# KiCad board Infernum.kicad_pcb (continued)
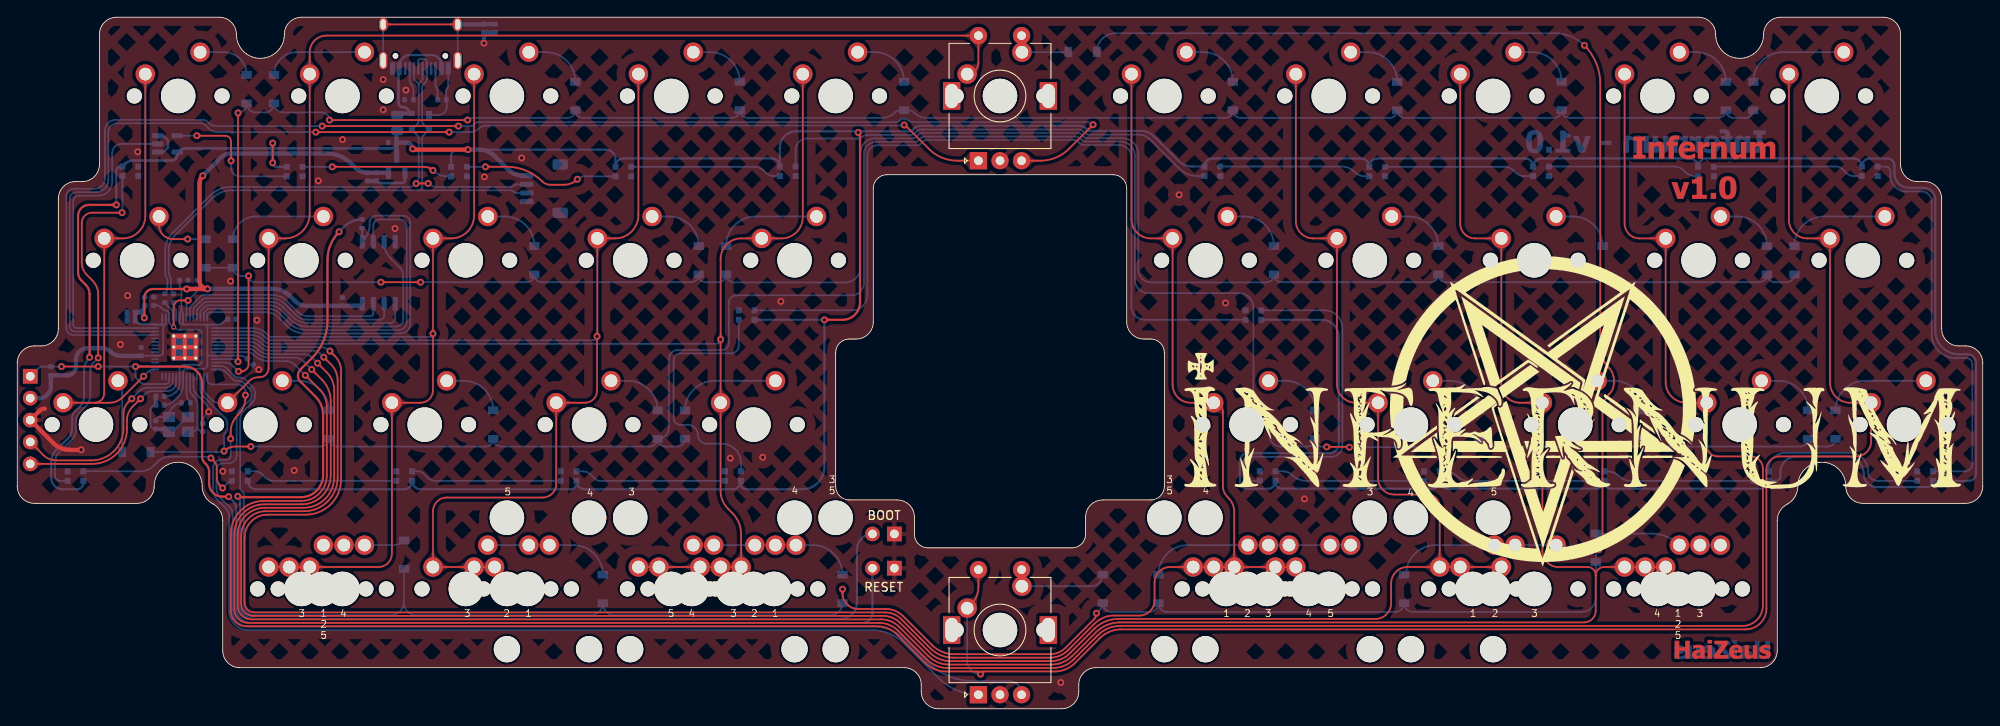
[diagram p0: board, top side]
## Routing (per net, layer and track width the routed paths; a pad name or vN(x,y) marks a point on that pad's centre or on a via; arc(x,y) is an arc through that point) (continued)
Net-(D14-A): length 7.4
  Bottom w0.2: MX14.2 56.5,57.07 arc(58.92,56.07) D14.2
Net-(D15-A): length 7.4
  Bottom w0.2: MX15.2 75.55,57.07 arc(77.97,56.07) D15.2
Net-(D16-A): length 12.4
  Bottom w0.2: MX16.2 85.58,57.07 arc(83.16,56.07) D16.2
Net-(D17-A): length 7.4
  Bottom w0.2: MX17.2 142.22,57.07 arc(144.65,56.07) D17.2
Net-(D18-A): length 7.4
  Bottom w0.2: MX18.2 161.27,57.07 arc(163.7,56.07) D18.2
Net-(D19-A): length 7.4
  Bottom w0.2: MX19.2 180.32,57.07 arc(182.75,56.07) D19.2
Net-(D20-A): length 7.4
  Bottom w0.2: MX20.2 199.37,57.07 arc(201.8,56.07) D20.2
Net-(D21-A): length 12.4
  Bottom w0.2: MX21.2 209.41,57.07 arc(206.98,56.07) D21.2
Net-(D22-A): length 8.5
  Bottom w0.2: D22.2 12.15,37.54 arc(12.01,37.88) MX22.2
Net-(D23-A): length 7.4
  Bottom w0.2: MX23.2 32.69,38.02 arc(35.11,37.02) D23.2
Net-(D24-A): length 7.4
  Bottom w0.2: MX24.2 51.74,38.02 arc(54.16,37.02) D24.2
Net-(D25-A): length 7.4
  Bottom w0.2: MX25.2 70.79,38.02 arc(73.21,37.02) D25.2
Net-(D26-A): length 12.4
  Bottom w0.2: MX26.2 80.82,38.02 arc(78.4,37.02) D26.2
Net-(D27-A): length 7.4
  Bottom w0.2: MX27.2 146.99,38.02 arc(149.41,37.02) D27.2
Net-(D28-A): length 7.4
  Bottom w0.2: MX28.2 166.04,38.02 arc(168.46,37.02) D28.2
Net-(D29-A): length 7.4
  Bottom w0.2: MX29.2 185.09,38.02 arc(187.51,37.02) D29.2
Net-(D30-A): length 7.4
  Bottom w0.2: MX30.2 204.14,38.02 arc(206.56,37.02) D30.2
Net-(D31-A): length 12.4
  Bottom w0.2: MX31.2 214.17,38.02 arc(211.75,37.02) D31.2
Net-(D32-A): length 9.5
  Bottom w0.2: MX43.2 MX32.2 MX49.2 43.55,18.97 arc(44.25,19.11) D32.2
Net-(D33-A): length 15.3
  Bottom w0.2: MX44.2 MX39.2 MX33.2 64.44,18.97 arc(66.86,17.97) D33.2
Net-(D34-A): length 19.3
  Bottom w0.2: MX53.2 MX50.2 MX45.2 MX40.2 MX34.2 92.22,18.97 arc(94.64,17.97) D34.2
Net-(D35-A): length 12
  Bottom w0.2: MX35.2 124.48,14.21 arc(125.42,14.6) D35.2 ; SW2.S1 116.4,14.25
Net-(D36-A): length 24.2
  Bottom w0.2: MX54.2 MX51.2 MX46.2 MX41.2 MX36.2 135.69,18.97 arc(133.27,17.97) D36.2
Net-(D37-A): length 19.6
  Bottom w0.2: D37.2 160.97,15.54 arc(161.97,17.97) 164.4,18.97 MX37.2 MX42.2 MX47.2
Net-(D38-A): length 14.8
  Bottom w0.2: D38.2 189.43,20.3 arc(191.17,19.96) MX52.2 MX38.2 MX48.2
Net-(D39-DIN): length 17.5
  Top w0.2: v1(36.51,62.83) 47.18,62.83 arc(47.72,62.72) v1(48.18,62.41)
  Bottom w0.2: v1(36.51,62.83) D47.1 ; D39.3 49.84,61.73 arc(48.94,61.91) v1(48.18,62.41)
Net-(D39-DOUT): length 18
  Top w0.2: 54.29,62.84 56.73,62.84 arc(58.96,62.4) 60.85,61.13 arc(61.27,60.85) 61.77,60.75 63.38,60.75 arc(64.21,60.92) v1(64.91,61.39)
  Bottom w0.2: v1(54.26,62.83) 52.12,62.83 arc(52.11,62.83) D39.1 arc(52.11,62.83) 52.12,62.83 ; D50.3 65.73,61.73 arc(65.29,61.64) v1(64.91,61.39)
Net-(D40-DIN): length 17.5
  Bottom w0.2: D40.3 87.7,61.76 arc(87.19,61.86) 86.76,62.15 86.5,62.41 arc(86.03,62.72) 85.49,62.83 D50.1
Net-(D40-DOUT): length 52.3
  Bottom w0.2: D40.1 90.21,64.81 arc(90.59,65.73) 91.51,66.11 97.49,66.11 arc(97.73,66.15) 97.93,66.29 arc(98.19,66.47) 98.5,66.53 103.59,66.53 arc(103.79,66.57) 103.96,66.68 104.13,66.85 arc(104.47,67.08) 104.87,67.16 105.04,67.16 105.04,67.15 122.98,67.15 arc(123.35,67.08) 123.67,66.87 123.86,66.68 arc(123.99,66.59) 124.14,66.56 129.99,66.56 arc(130.68,66.42) 131.26,66.03 134.64,62.66 arc(135.63,61.99) 136.81,61.76 D41.3
Net-(D41-DOUT): length 17.6
  Bottom w0.2: D41.1 153.54,62.86 arc(154.29,62.71) 154.92,62.28 154.93,62.28 arc(155.54,61.87) 156.26,61.73 D55.3
Net-(D42-DIN): length 17.5
  Bottom w0.2: 158.54,62.83 172.35,62.83 arc(172.97,62.7) 173.5,62.35 173.73,62.13 arc(174.13,61.85) 174.61,61.76 D42.3
Net-(D42-DOUT): length 17.6
  Bottom w0.2: D42.1 192.07,62.86 arc(192.65,62.74) 193.15,62.41 193.28,62.28 arc(193.89,61.87) 194.61,61.73 194.81,61.73
Net-(D43-DIN): length 17.5
  Bottom w0.2: D43.3 212.86,61.76 arc(212.38,61.85) 211.98,62.13 211.55,62.55 arc(211.21,62.78) 210.81,62.86 196.67,62.86 D56.1
Net-(D43-DOUT): length 47.5
  Bottom w0.2: D43.1 216.58,62.86 arc(216.96,62.7) 217.11,62.33 217.11,61.78 arc(217.64,60.5) 218.92,59.97 220.71,59.97 arc(221.54,59.63) 221.88,58.8 221.88,43.4 arc(222.68,41.47) 224.62,40.67 225.87,40.67 arc(226.39,40.45) 226.61,39.93 226.61,28.39 arc(226.35,27.78) 225.74,27.52 D44.3
Net-(D44-DOUT): length 20.4
  Bottom w0.2: D60.3 202.99,27.76 arc(203.54,29.11) 204.89,29.66 212.41,29.66 arc(213.9,29.05) 214.52,27.56 214.52,27.48 arc(214.83,26.73) 215.58,26.42 D44.1
Net-(D45-DIN): length 40.5
  Bottom w0.2: D48.1 142.87,26.42 arc(142.35,26.64) 142.13,27.16 142.13,28.66 arc(142.29,29.05) 142.68,29.21 152.28,29.21 arc(153.21,29.59) 153.59,30.51 153.59,44.12 arc(152.98,45.58) 151.52,46.19 D45.3
Net-(D45-DOUT): length 94.2
  Bottom w0.2: D45.1 130.65,45.09 arc(129.58,45.53) 129.14,46.61 129.14,63.93 arc(128.72,64.94) 127.7,65.36 123.66,65.36 arc(123.37,65.42) 123.13,65.58 122.99,65.72 arc(122.75,65.88) 122.47,65.94 105.33,65.94 arc(105.16,65.9) 105.01,65.8 104.74,65.53 arc(104.52,65.38) 104.25,65.33 99.73,65.33 arc(98.88,64.98) 98.53,64.13 98.53,47.95 arc(98.01,46.71) 96.77,46.19 ; D49.3 96.76,46.19
Net-(D46-DIN): length 17.5
  Bottom w0.2: D60.1 186.94,26.42 arc(186.29,26.55) 185.75,26.92 arc(185.08,27.36) 184.28,27.52 D46.3
Net-(D46-DOUT): length 17.5
  Bottom w0.2: D46.1 168.14,26.42 arc(167.49,26.55) 166.95,26.92 arc(166.28,27.36) 165.48,27.52 D59.3
Net-(D48-DIN): length 17.5
  Bottom w0.2: D59.1 149.42,26.42 arc(148.52,26.6) 147.75,27.12 arc(147.3,27.42) 146.77,27.52 D48.3
Net-(D49-DOUT): length 30.1
  Bottom w0.2: D49.1 83.62,42.08 arc(83.36,41.46) 82.73,41.2 76.85,41.2 arc(76.3,40.97) 76.08,40.42 76.08,39.93 ; 76.08,40.08 76.08,39.93 ; 76.08,39.93 76.08,33.69 arc(76.3,33.14) 76.85,32.92 77.71,32.92 arc(78.54,32.57) 78.88,31.75 arc(79.18,31.03) 79.9,30.73 81.67,30.73 arc(83.22,30.09) 83.86,28.54 D54.3
Net-(D51-DIN): length 43
  Top w0.2: v1(12.15,57.52) 8.68,57.52 arc(7.82,57.16) 7.47,56.31 7.47,51.76 arc(7.63,50.96) 8.09,50.28 8.71,49.66 arc(9.21,48.91) 9.38,48.03 v1(9.38,40.67)
  Bottom w0.2: v1(9.38,40.67) 8.83,40.12 arc(8.57,39.73) 8.47,39.25 8.47,36.46 arc(8.32,35.67) 7.87,34.99 7.18,34.31 arc(6.89,33.87) 6.78,33.35 6.78,32.25 arc(6.67,31.7) 6.36,31.23 4.83,29.7 arc(4.49,29.18) 4.37,28.58 4.37,27.07 arc(4.55,26.61) 5.01,26.42 D52.1 ; 12.18,57.55 D51.3
Net-(D52-DIN): length 20.7
  Top w0.2: v1(23.8,25.59) 23.52,25.87 arc(23.23,26.3) 23.12,26.82 23.12,27.97 arc(23.05,28.36) 22.83,28.68 v1(22.44,29.07)
  Bottom w0.2: v1(22.44,29.07) 22.3,29.21 17.55,29.21 arc(16.92,29.09) 16.37,28.72 15.84,28.19 arc(15.1,27.7) 14.22,27.52 7.66,27.52 ; v1(23.8,25.59) 24.46,26.25 arc(24.65,26.38) 24.88,26.42
Net-(D53-DIN): length 17.6
  Bottom w0.2: D58.1 48.42,26.42 arc(47.97,26.51) 47.59,26.76 47.08,27.27 arc(46.81,27.46) 46.49,27.52 D53.3
Net-(D53-DOUT): length 17.6
  Bottom w0.2: D53.1 29.66,26.42 arc(29.18,26.52) 28.77,26.79 28.37,27.19 arc(28.01,27.44) 27.58,27.52 D57.3
Net-(D54-DOUT): length 17.6
  Bottom w0.2: D54.1 67.51,26.42 arc(67.21,26.48) 66.96,26.65 66.41,27.2 arc(66.06,27.44) 65.63,27.52 64.81,27.52
Net-(R5-Pad1): length 140.4
  Top w0.25: v1(25.55,24.63) 25.66,24.52 32.87,24.52 arc(34.69,25.28) 35.45,27.1 35.45,34.07 arc(35.22,35.21) 34.57,36.18 32.78,37.97 arc(32.59,38.25) 32.53,38.58 arc(32.61,39) 32.85,39.36 34.17,40.67 arc(35.49,42.66) 35.96,45 35.96,52.04 arc(36.31,53.8) v1(37.3,55.29)
  Bottom w0.25: v1(37.3,55.29) 37.89,55.88 arc(38.85,56.52) R5.1 ; v1(25.55,24.63) arc(25.76,24.32) 25.83,23.96 25.83,11.63 25.87,11.59 25.94,11.36 26.05,11.15 26.19,10.96 26.36,10.79 26.56,10.65 26.77,10.54 27,10.46 27.23,10.43 27.35,10.42 95.42,10.42 arc(96.77,10.98) 97.32,12.33 97.32,18.47 arc(97.85,19.74) SW3.2
Net-(U2-D+): length 1.8
  Bottom w0.2: U2.47 18.42,46.17 arc(18.4,46.28) 18.34,46.36 18.25,46.45 arc(18.15,46.6) 18.12,46.77 R3.2
Net-(U2-D-): length 2.1
  Bottom w0.2: U2.46 18.02,45.97 arc(17.99,46.11) 17.91,46.22 17.14,47 arc(17.11,47.04) R4.2
Net-(USB1-CC1): length 3.8
  Bottom w0.2: USB1.4 45.48,72.87 arc(45.53,72.59) 45.69,72.36 arc(45.86,72.11) 45.92,71.8 R_USB1.1
Net-(USB1-CC2): length 3.7
  Bottom w0.2: USB1.10 48.48,72.29 arc(48.51,72.12) 48.61,71.98 arc(48.68,71.87) 48.71,71.74 R_USB2.1

## Copper pours and planes (outline as drawn; the poured copper is in the pictures)
GND on Top, Bottom: 230.32,87.07 230.11,-4.83 -3.36,-4.83 -3.26,87.17

Small or netless copper shapes (teardrops, artwork), in the pictures only: 176 on Top, 435 on Bottom

## Text on the board
B.Silkscreen: 3 | 1 / 2 / 5 | 4 | 2 | 5 | 1 | 3 / 5 | BOOT | RESET
F.Silkscreen: 3 | 1 / 2 / 5 | 4 | 2 | 5 | 1 | 3 / 5 | RESET | BOOT
